# KiCad board HPM5300_ADC_EVK_RevA.kicad_pcb (continued)
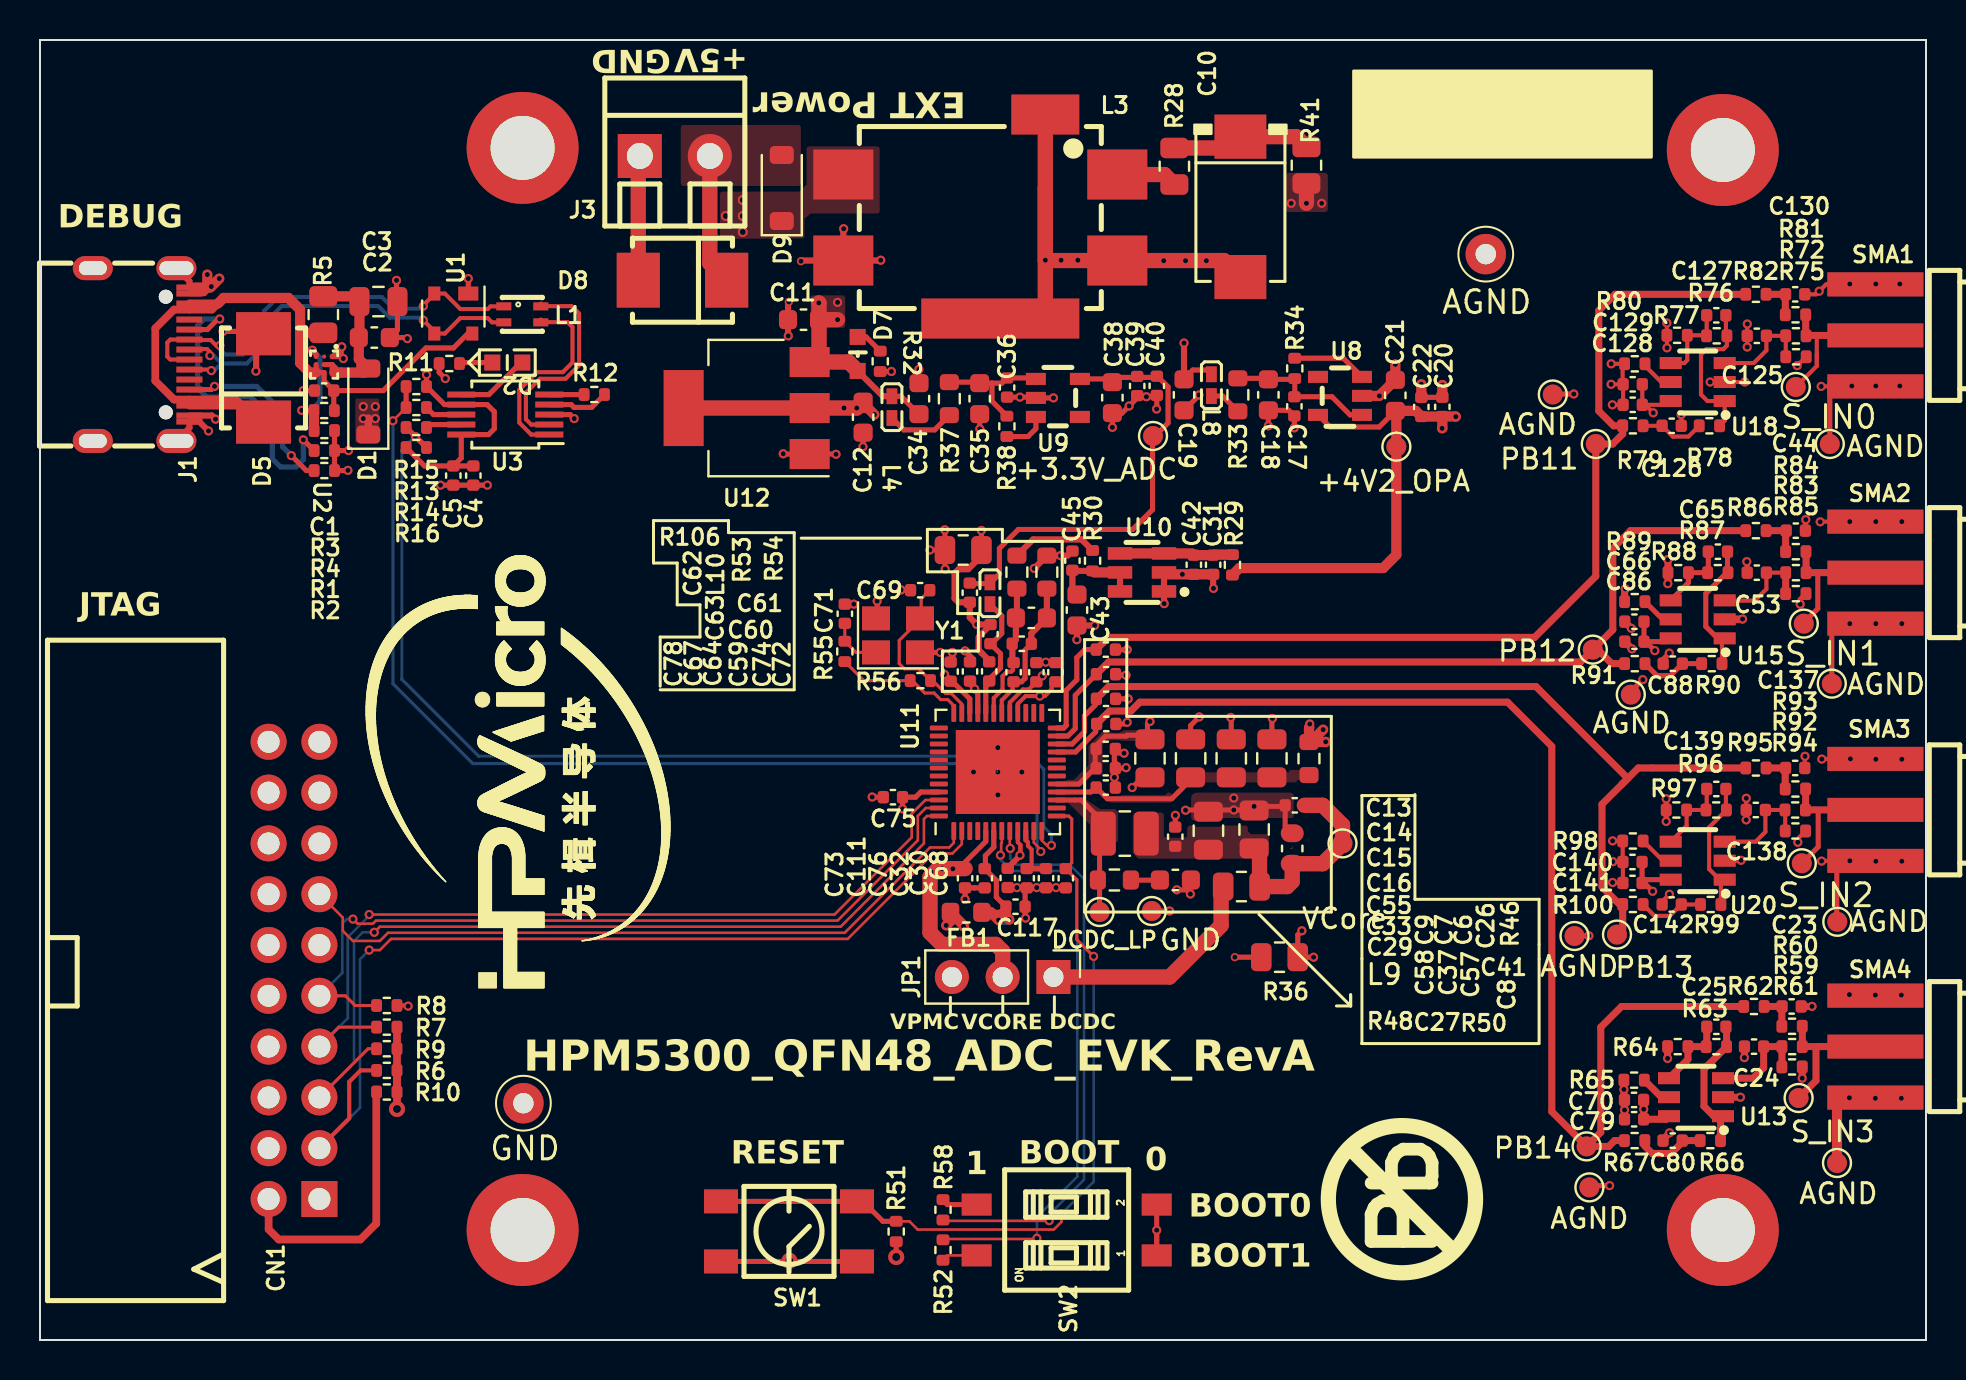
[diagram p0: board, top side]
## Footprints (pads in the part's own frame, mm; a bottom-side part is the same pattern mirrored in y, then rotated) (continued)
  oval 1.2x2 hole 0.7x1.4: 3(-4.32,-2.415) 4(4.32,-2.415)
  rect 0.3x1.3 smd: A1(-3.35,2.415) A4(-2.55,2.415) A5(-1.25,2.415) A6(-0.25,2.415) A7(0.25,2.415) A8(1.25,2.415) A9(2.55,2.415) A12(3.35,2.415) B1(3.05,2.415) B4(2.25,2.415) B5(1.75,2.415) B6(0.75,2.415) B7(-0.75,2.415) B8(-1.75,2.415) B9(-2.25,2.415) B12(-3.05,2.415)

## Nets
5V_Debug: C1.1 D5.2 J1.A4 J1.A9 J1.B4 J1.B9 R3.1 R5.2 U1.4 U2.B3 U2.C2 U2.C3
5V_SYS: C11.1 C19.1 C34.1 D7.2 L4.1 L8.1 R41.2 U12.3
+1.2VCore: C8.1 C37.1 C41.1 C57.1 C58.1 L9.2 R50.1 TP11.1
+3.3V: C4.1 C5.1 C12.1 CN1.1 FB1.2 R6.1 R7.2 R9.2 R10.2 R15.1 R16.1 R46.1 R51.1 SW2.1 SW2.2 U3.7 U3.10 U12.2
+3.3VADC: C38.1 C39.1 C40.1 C62.1 L10.1 TP4.1 U9.5
+4V_OPA: C20.1 C21.1 C22.1 C66.1 C70.1 C79.1 C86.1 C128.1 C129.1 C140.1 C141.1 R29.1 TP6.1 U8.5 U13.6 U15.6 U18.6 U20.6
+5V: D1.1 D9.1 L3.1
GND: C1.2 C2.2 C3.2 C4.2 C5.2 C6.2 C7.2 C8.2 C9.2 C10.2 C11.2 C12.2 C19.2 C26.2 C27.2 C29.2 C30.2 C32.2 C33.2 C34.2 C37.2 C41.2 C55.2 C57.2 C58.2 C67.2 C68.2 C69.2 C71.2 C72.2 C73.2 C74.2 C75.2 C76.2 C78.2 C111.2 C117.2 CN1.4 CN1.6 CN1.8 CN1.10 CN1.12 CN1.14 CN1.16 CN1.18 CN1.20 D5.1 D8.1 J1.1 J1.2 J1.3 J1.4 J1.A1 J1.A12 J1.B1 J1.B12 J3.1 L3.3 L3.4 L3.5 L3.6 R1.2 R2.2 R4.1 R8.1 R11.2 R32.2 R36.1 R106.1 SW1.1 SW1.2 TP1.1 TP9.1 U1.1 U2.A1 U3.3 U11.49 U12.1 Y1.2 Y1.4
GNDA: C13.2 C14.2 C15.2 C16.2 C17.2 C18.2 C20.2 C21.2 C22.2 C23.2 C24.2 C31.2 C35.2 C36.2 C38.2 C39.2 C40.2 C42.2 C43.2 C44.2 C45.2 C53.2 C62.2 C63.2 C64.2 C66.2 C70.2 C79.2 C80.2 C86.2 C88.2 C125.2 C126.2 C128.2 C129.2 C130.2 C137.2 C138.2 C140.2 C141.2 C142.2 R36.2 R54.2 R61.1 R64.2 R65.2 R75.1 R77.2 R80.2 R85.1 R88.2 R89.2 R94.1 R97.2 R98.2 R106.2 SMA1.1 SMA1.2 SMA1.3 SMA1.4 SMA2.1 SMA2.2 SMA2.3 SMA2.4 SMA3.1 SMA3.2 SMA3.3 SMA3.4 SMA4.1 SMA4.2 SMA4.3 SMA4.4 TP14.1 TP15.1 TP17.1 TP19.1 TP22.1 TP23.1 TP25.1 TP26.1 TP28.1 U8.2 U9.2 U10.1 U10.2 U13.2 U15.2 U18.2 U20.2
VDD_OTPCAP_2V5: C30.1 C32.1 U11.10
VDD_PMCCAP_1V1: C9.1 C33.1 C55.1 JP1.3 U11.17
/DEBUG/DN1: J1.A7 J1.B7 L1.1 U1.2
/DEBUG/DP1: J1.A6 J1.B6 L1.4 U1.3
/DEBUG/JTAG_TCK: CN1.9 R8.2 U11.47
/DEBUG/JTAG_TDI: CN1.5 R9.1 U11.48
/DEBUG/JTAG_TDO: CN1.13 U11.1
/DEBUG/JTAG_TMS: CN1.7 R7.1 U11.46
/DEBUG/JTAG_TRST: CN1.3 R6.2 U11.2
/DEBUG/URT0.RXD: R13.2 R15.2 U11.11
/DEBUG/URT0.TXD: R14.2 R16.2 U11.12
/DEBUG/USB2UART_N: L1.2 U3.2
/DEBUG/USB2UART_P: L1.3 U3.1
/HPM5300-IO/BOOT0: R58.2 U11.8
/HPM5300-IO/BOOT1: R52.2 U11.7
/HPM5300-IO/PA09: U11.3
/HPM5300-IO/PA10: U11.4
/HPM5300-IO/PA24: U11.44
/HPM5300-IO/PA25: U11.43
/HPM5300-IO/PA26: U11.42
/HPM5300-IO/PA27: U11.41
/HPM5300-IO/PA28: U11.40
/HPM5300-IO/PA29: U11.39
/HPM5300-IO/PA30: U11.38
/HPM5300-IO/PA31: U11.37
/HPM5300-IO/PB08: U11.27
/HPM5300-IO/PB09: U11.26
/HPM5300-IO/PB10: U11.25
/HPM5300-IO/PB11: C13.1 R79.2 R82.2 TP20.1 U11.24
/HPM5300-IO/PB12: C14.1 R86.2 R91.2 TP24.1 U11.23
/HPM5300-IO/PB13: C15.1 R95.2 R100.2 TP18.1 U11.22
/HPM5300-IO/PB14: C16.1 R62.2 R67.2 TP29.1 U11.21
/HPM5300-IO/PB15: U11.20
/HPM5300-IO/VIO: C74.1 C78.1 C111.1 C117.1 FB1.1 U11.6 U11.29 U11.34
/HPM5300-POWER/VANA: C63.1 C64.1 L10.2 U11.32
/HPM5300-VPMC-VBAT/BUTTON_RESET_N: C68.1 R51.2 SW1.3 SW1.4 U11.13
VCore: JP1.1 R50.2
VREFH: R30.2 R53.2
Net-(C10-Pad1): C10.1 R28.2 R41.1
Net-(C23-Pad1): C23.1 R60.2 R62.1
Net-(C27-Pad1): C27.1 R48.1
Net-(C44-Pad1): C44.1 R84.2 R86.1
Net-(C80-Pad1): C80.1 R66.2 R67.1
Net-(C88-Pad1): C88.1 R90.2 R91.1
Net-(C126-Pad1): C126.1 R78.2 R79.1
Net-(C130-Pad1): C130.1 R81.2 R82.1
Net-(C137-Pad1): C137.1 R93.2 R95.1
Net-(C142-Pad1): C142.1 R99.2 R100.1
Net-(CN1-Pad2): CN1.2 R10.1
Net-(D1-A): C2.1 C3.1 D1.2 R5.1 U2.A2 U2.A3 U2.B2
Net-(D2-A): D2.2 U3.6
Net-(D2-K): D2.1 R11.1
Net-(D7-K): D7.1 R32.1
Net-(D8-K): D8.2 D9.2 J3.2
Net-(J1-CC1): J1.A5 R1.1
Net-(J1-CC2): J1.B5 R2.1
Net-(JP1-C): C67.1 C72.1 C73.1 C75.1 C76.1 JP1.2 U11.5 U11.9 U11.28 U11.33 U11.45
Net-(L3-CB): L3.2 R28.1
Net-(L4-Pad2): L4.2 R37.1
Net-(L8-Pad2): L8.2 R33.1
Net-(R59-Pad1): R59.1 R60.1 SMA4.5 TP27.1
Net-(R72-Pad1): R72.1 R81.1 SMA1.5 TP12.1
Net-(R83-Pad1): R83.1 R84.1 SMA2.5 TP16.1
Net-(R92-Pad1): R92.1 R93.1 SMA3.5 TP21.1
Net-(SW2-PIN3): R58.1 SW2.3
Net-(SW2-PIN4): R52.1 SW2.4
Net-(U2-OVLO): R3.2 R4.2 U2.C1
Net-(U3-RXD): R14.1 U3.9
Net-(U3-TXD): R13.1 U3.8
Net-(U3-~{CTS}): R12.2 U3.5
Net-(U3-~{RTS}): R12.1 U3.4
Net-(U8-EN): R34.1 U8.3
Net-(U8-IN): C17.1 C18.1 R33.2 R34.2 U8.1
Net-(U9-EN): R38.1 U9.3
Net-(U9-IN): C35.1 C36.1 R37.2 R38.2 U9.1
Net-(U10-ENABLE): C31.1 C42.1 R29.2 U10.3 U10.4
Net-(U10-OUT_F): C43.1 C45.1 R30.1 U10.5 U10.6
Net-(U11A-DCDC_LP): L9.1 R48.2 TP7.1 U11.15
Net-(U11A-VREFH): C59.1 C60.1 C61.1 R53.1 U11.31
Net-(U11A-VREFL): C59.2 C60.2 C61.2 R54.1 U11.30
Net-(U11B-XTALI): C69.1 R56.1 U11.35 Y1.3
Net-(U11B-XTALO): R55.2 R56.2 U11.36
Net-(U11C-VPMC): C6.1 C7.1 C26.1 C29.1 R46.2 U11.16
Net-(U13-+IN): C24.1 R59.2 R61.2 U13.3
Net-(U13--IN): C25.2 R63.2 R64.1 U13.4
Net-(U13-MODE): R65.1 U13.5
Net-(U13-OUT): C25.1 R63.1 R66.1 U13.1
Net-(U15-+IN): C53.1 R83.2 R85.2 U15.3
Net-(U15--IN): C65.2 R87.2 R88.1 U15.4
Net-(U15-MODE): R89.1 U15.5
Net-(U15-OUT): C65.1 R87.1 R90.1 U15.1
Net-(U18-+IN): C125.1 R72.2 R75.2 U18.3
Net-(U18--IN): C127.2 R76.2 R77.1 U18.4
Net-(U18-MODE): R80.1 U18.5
Net-(U18-OUT): C127.1 R76.1 R78.1 U18.1
Net-(U20-+IN): C138.1 R92.2 R94.2 U20.3
Net-(U20--IN): C139.2 R96.2 R97.1 U20.4
Net-(U20-MODE): R98.1 U20.5
Net-(U20-OUT): C139.1 R96.1 R99.1 U20.1
Net-(Y1-X1): C71.1 R55.1 Y1.1

Pads without a net: CN1 11 15 17 19; H1 1; H2 1; H3 1; H4 1; J1 A8 B8; U2 B1; U8 4; U9 4; U11 14 18 19

## Via types
v1: diameter 0.406, hole 0.254, Top to Bottom, 3 vias
v2: diameter 0.457, hole 0.254, Top to Bottom, 236 vias
v3: diameter 0.8, hole 0.4, Top to Bottom, 3 vias
v4: diameter 0.5, hole 0.3, Top to Bottom, 4 vias

## Routing (per net, layer and track width the routed paths; a pad name or vN(x,y) marks a point on that pad's centre or on a via; arc(x,y) is an arc through that point)
5V_Debug: length 37.5
  Top w0.254: U2.C2 U2.C3 U2.B3 14.21,47.95 C1.1 ; C1.1 17.17,47.47 19.3,49.6 20.68,49.6 21.4,50.32 U1.4 ; C1.1 14.69,46.5 R3.1
  Top w0.381: J1.A9 10.1,46.72 10.81,46.01 9.8,47.02 J1.B4 6.7,47.02 5.77,47.96 5.77,50.59 6.7,51.52 J1.B9 8.6,51.52 8.91,51.83 7.48,51.83 J1.A4
  Top w0.508: 8.91,51.83 9.18,52.1 12.42,52.1 13.01,51.52 13.01,50.27 ; R5.2 13.09,50.36 13.01,50.27 ; 13.01,50.27 13.01,48.85 13.49,48.37 U2.C3
5V_SYS: length 15.1
  Top w0.254: C34.1 43.94,46.29 43.05,47.19 L4.1 ; 57.18,48.03 57.64,48.5 58.33,48.5 58.55,48.29
  Top w0.305: L4.1 42.15,47.19 D7.2 ; C19.1 v2(57.2,49.85)
  Top w0.762: R41.2 v2(63.32,56.83) ; C11.1 38.95,49.37 U12.3 40.44,48.9 D7.2 ; C11.1 v2(39.88,51.02) ; C11.1 38.95,51.84 v2(38.94,51.86)
  vias: v2(39.88,51.88) v2(62.56,56.83) v2(64.08,56.83)
+1.2VCore: length 9.9
  Top w0.25: C57.1 60.71,24.74
  Top w0.762: TP11.1 65.13,25.74 64.14,26.73 C41.1 ; 61.47,22.67 62.36,22.67 62.61,22.92 C8.1 64.14,23.81 65.13,24.8 ; C57.1 60.98,24.31 60.98,23.24
+3.3V: length 39.5
  Top w0.203: R7.2 R9.2 R6.1
  Top w0.25: 42.81,4.92 v3(42.81,4.15) ; R15.1 v2(19.33,48.26) ; SW2.2 SW2.1 v2(55.83,5.49)
  Top w0.254: R16.1 19.23,43.7 C5.1 ; C5.1 21.07,44.1 U3.10 22.43,45.27 22.72,45.56 22.72,46.41 22.36,46.77 U3.7 20.23,46.77 R15.1 ; C5.1 C4.1
  Top w0.381: R6.1 R10.2 ; R10.2 R7.2 ; R10.2 v3(17.85,11.55)
  Top w0.508: v2(41.72,46.27) 41.39,46.6 v2(40.2,46.6) ; v2(64.28,29.91) 64.27,29.9 R46.1 ; R46.1 63.54,29.9 v2(64.16,30.52) ; R46.1 63.45,30.61 63.47,30.63 ; v2(45.31,20.73) 45.52,20.94 FB1.2 46.18,20.73 v2(46.18,20.68)
  Top w0.762: U12.2 U12.2 v2(40.84,46.6) C12.1
  vias: v2(63.49,30.8)
+3.3VADC: length 22.6
  Top w0.254: U9.5 53.46,48.05 C38.1 53.86,48.13 55.93,48.13 56.4,47.65 56.4,45.85 55.63,45.07 55.63,41.52 54.64,40.53 48.92,40.53 47.97,39.58 47.97,38.3 47.49,37.82 46.52,37.82
+4V_OPA: length 36.6
  Top w0.203: v2(80.66,46.36) 80.26,46.76 C128.1 ; C128.1 81.35,46.76 81.53,46.95 ; C128.1 C129.1 ; 80.21,22.85 80.11,22.85 80.27,23.02
  Top w0.25: C66.1 C86.1 81.38,34.92 ; 81.38,35.07 81.54,35.23 ; 80.29,34.92 v2(80.74,34.47) ; 80.2,35.07 80.29,35.07
  Top w0.254: 81.53,23.02 80.27,23.02 ; 67.82,46.41 C21.1 66.96,45.65 64.51,45.65 U8.5 ; 80.11,23.9 80.11,22.85 ; 80.21,22.85 v2(80.63,22.44)
  Top w0.349: 80.19,12 C79.1 81.3,11.04 U13.6 ; 80.19,12 v2(80.19,11.54) ; 80.19,12 C70.1
  Top w0.508: v2(70.1,45.58) 70.12,45.59 C20.1 ; C20.1 70.11,46.17 C22.1 68.78,46.46 C21.1 ; C20.1 70.78,46.18 v2(70.79,46.17) ; 67.82,46.41 TP6.1 67.82,39.26 67.16,38.6 59.97,38.6 R29.1
  In2.Cu w0.254: 80.75,22.56 v2(80.63,22.44)
+5V: length 0.8
  Top w0.381: 16.42,46.09 D1.1
  vias: v2(16.17,46.67) v2(16.17,46.07) v2(16.77,46.67) v2(16.77,46.07) v4(34.29,56.2) v4(35.14,57) v4(35.14,56.2) v4(35.14,55.4)
GND: length 115.4
  Top w0.203: 14.83,49.41 14.61,49.18 U2.A1 ; 14.83,49.41 v2(15.09,49.66) ; 14.83,49.41 14.92,49.32 ; v2(15.09,49.66) 14.92,49.49 14.92,49.32 ; v2(15.09,49.66) 15.09,49.15 v2(15.17,49.07) 14.92,49.32 ; v2(18.41,16.69) 18.38,16.72 R8.1 ; 50.19,33.87 50.19,33.89 50.19,33.89 ; 50.19,33.87 50.67,33.87 ; 50.19,33.87 49.71,33.87
  Top w0.25: v2(57.28,26.49) 57.29,26.5 60.53,26.5 v2(60.71,26.68) 62.2,26.68 C41.2 62.26,25.69 C8.2 ; v2(54.31,28.61) 54.28,28.59 53.72,28.59 ; v2(45.26,38.55) 45.25,38.56 R106.1 ; v2(56.48,21.45) TP9.1 55.59,21.47 55.74,21.62 ; R106.1 45.25,40.5 v2(45.24,40.51) ; R106.1 44.49,39.5 v2(44.49,39.5) ; 53.72,28.59 53.72,27.63 53.72,27.62 ; 53.72,28.59 53.75,28.56 53.75,28.89 53.75,28.9 ; v2(41.61,27.15) 41.62,27.14 C75.2 ; v2(54.61,27.62) 55.12,28.13 C9.2 ; v2(57.95,47.25) 57.95,47.23 57.2,46.48 C19.2 ; v2(61.62,31.08) 61.59,31.05 C26.2 ; R11.2 19.96,48.38 v2(20.27,48.07) ; v2(57.96,31.15) 57.53,30.72 C7.2 ; v2(26.71,46.07) 26.51,46.27 25.47,46.27 U3.3 ; SW1.1 SW1.2 ; v2(56.84,22.51) 57.31,22.51 v2(57.52,22.3) 57.52,22.98 57.5,23 ; 53.93,29.34 53.72,29.55 ; v2(59.54,31.13) 59.56,31.1 C6.2 ; 29.91,58.82 29.94,58.85 ; v2(56.77,26.23) 56.76,26.23 C58.2
  Top w0.254: C34.2 43.95,48.52 v2(43.94,48.53) ; v2(40.69,36.79) 40.69,36.79 C71.2 ; 57.18,46.75 57.18,46.48 ; 49.28,22.61 49.26,22.58 C117.2 49.26,21.12 v2(49.28,21.1) ; 49.28,22.61 50.25,22.61 50.25,22.61 51.23,22.61 51.24,22.61 ; 49.28,22.61 49.27,22.62 48.34,22.62 48.32,22.61 ; R4.1 R1.2 ; R1.2 R2.2 15.39,43.47 v2(15.4,43.48) ; R1.2 v2(15.43,44.47) ; C12.2 41.16,44.67 v2(41.15,44.67) ; 8.17,52.62 8.17,52.37 8.22,52.32 ; 8.17,52.62 8.52,52.62 8.22,52.32 ; 8.17,52.62 J1.A1 7.72,52.62 ; 41.86,36.08 v2(41.86,36.95) ; v2(17.83,52.98) 17.83,51.97 C3.2 17.87,50.5 C2.2 18.32,50.12 v2(18.37,50.07) ; 44.06,34.38 v2(45.01,34.38) ; v2(22.37,42.74) C4.2 C5.2 v2(20.03,42.74) ; 8.22,52.32 J1.B12 ; R36.1 v1(59.74,19.14) ; v2(43.05,37.5) 43.07,37.49 C69.2 ; v2(42.57,48.43) 42.57,48.42 R32.2 ; v2(46.25,34.46) 46.57,34.14 46.57,33.91 ; v2(21.42,53.07) U1.1 ; v2(37.16,44.31) 37.17,44.3 U12.1 39.79,44.3 v2(39.8,44.29) ; v2(15.17,49.07) 15.07,49.17 U2.A1 ; v2(9.15,50.43) 10.81,50.43 ; 53.72,28.59 53.72,29.55 ; C111.2 46.74,22.61 46.73,22.61 C73.2 v2(46.25,22.04) ; C1.2 v2(13.17,47.47) ; 47.37,22.61 47.37,22.61
  Top w0.305: v1(38.05,53.94) 38.08,53.97 L3.3 ; v1(37.44,51.91) 37.4,51.87 C11.2 37.4,50.22 v2(37.41,50.2) ; L3.3 40.17,55.55 v2(40.18,55.56) ; L3.3 42.02,53.97 v2(42.04,53.99) ; J1.B1 8.6,46.22 v2(8.78,46.04) ; 45.6,33.91 45.62,33.92 v2(45.62,34.38) ; v2(8.43,45.45) 7.96,45.92 J1.A12 7.47,45.6 J1.2 ; J1.A1 7.47,52.94 J1.1 ; 10.81,50.43 10.81,48.45
  Top w0.508: 7.72,52.62 8.37,52.62 v2(8.37,53.27) ; 8.52,52.62 v2(8.97,53.07)
  Top w0.762: 50.32,50.89 50.27,50.94 50.27,57.57 ; 50.27,57.57 L3.5 ; 50.27,57.57 50.27,53.97 L3.4 59.19,53.97 C10.2 ; D8.1 29.91,58.82
  In1.Cu w0.254: v2(46.25,34.46) 45.69,34.46 v2(45.62,34.38) ; v2(57.95,47.25) 57.97,47.28 57.97,48.93
  vias: v2(8.57,52.67) v2(10.8,48.44) v2(46.68,28.4) v2(47.89,29.62) v2(47.89,28.4) v2(47.9,27.26) v2(48.84,22.62) v2(49.09,28.4) v2(49.83,22.62) v2(50.27,53.99) v2(50.29,33.89) v2(50.8,22.62) v2(51.05,53.99) v2(51.89,53.99) v2(53.72,28.13) v2(54.2,29.34) v2(56.18,53.96) v2(57.28,53.96) v2(58.32,53.96) v2(59.69,27.1) v2(59.69,26.5) v3(37.47,3.96)
GNDA: length 99.8
  Top w0.203: SMA1.1 v2(89.06,47.68) ; 78.67,46.76 79.15,46.76 79.15,47.78 ; R54.2 50.34,39.21 ; v2(78.63,24.96) 78.64,24.95 R98.2 79.14,23.91 C140.2 ; C126.2 82.06,46.27 v2(82.06,46.27) ; v2(78.64,23.92) 78.65,23.9 C140.2 ; C137.2 88.24,29.18 v2(88.25,29.19) ; v2(89.09,29.05) 89.1,29.06 SMA3.2 ; C140.2 C141.2 78.65,22.85 v2(78.63,22.88) ; U20.2 85.03,23.97 v2(85.05,23.99) ; 79.15,47.78 v2(78.55,47.78) 78.55,47.79 ; 79.15,47.78 79.13,47.81 79.13,48.81 v2(78.56,48.81) ; SMA3.1 89.09,23.96 v2(89.08,23.95) ; v2(85.36,50.8) 85.36,50.8 C125.2 v2(85.36,49.65) ; v2(85.31,26.01) C138.2 85.31,27.08 v2(85.31,27.09) ; R94.1 87.89,25.06 v2(87.89,24.89) ; R75.1 88.3,49.16 v2(87.86,48.72) ; SMA2.2 89.02,40.92 v2(89.01,40.91) ; 51.39,39.22 C45.2 ; C142.2 81.11,21.92 v2(81.47,22.29) ; C130.2 88.8,52.28 v2(88.96,52.44) 89.3,52.78 SMA1.2 ; v2(81.35,49.61) 81.34,49.61 R77.2 81.34,50.84 v2(81.34,50.85) ; v2(83.51,47.9) 83.51,47.9 U18.2 85.24,47.9 v2(85.24,47.9)
  Top w0.25: v2(76.69,47.3) 75.59,47.3 ; 89.59,35.77 TP17.1 ; C44.2 88.27,41 v2(88.29,41.02) ; 89.84,20.89 89.84,23.89 ; v2(81.31,27.06) R97.2 v2(81.31,25.93) ; R85.1 88.01,37.03 v2(88.01,36.79) ; v2(81.46,34.34) 81.16,34.04 ; v2(54.36,34.52) 54.35,34.51 53.91,34.51 53.79,34.39 ; 77.74,7.77 77.69,7.72 77.51,7.72 v2(78.48,7.72) ; v2(77.45,20.21) 76.59,20.21 ; 91.78,23.95 SMA3.1 ; 79.49,32.37 v2(80.14,33.02) ; 89.49,44.45 89.49,47.8 89.54,47.85 ; v2(85.34,38.92) 85.36,38.9 C53.2 ; 91.78,47.67 SMA1.1
  Top w0.254: v2(61.42,45.71) 61.42,45.71 C18.2 62.44,46.48 C17.2 62.72,45.61 v2(62.71,45.61) ; 53.74,31.89 53.9,32.06 v2(54.41,32.06) ; 47.1,39.47 47.1,39.23 ; 47.55,35.75 46.93,35.13 46.93,35.18 C63.2 ; 47.54,33.89 47.55,33.89 ; v2(63.68,19.14) R36.2 62.89,20.26 v2(63.09,20.46) ; v2(50.67,47.11) 50.67,47.1 U9.2 49.76,47.14 v2(49,47.14) C36.2 ; v2(53.62,45.63) 53.62,46.34 54.1,46.34 v2(54.46,46.7) 54.92,47.16 v2(55.32,47.16) 55.93,47.16 55.84,47.07 55.84,46.56 v2(55.83,46.55) ; v2(47.07,40.48) 47.07,40.47 R106.2 ; v2(46.99,45.56) 46.98,45.56 C35.2 ; 53.74,30.8 54.28,30.8 v2(54.36,30.88) ; 53.78,33.25 54.29,33.25 v2(54.3,33.24) ; 46.41,36.89 46.52,36.78 ; C22.2 70.11,47.13 C20.2 ; 46.84,35.77 v2(46.84,35.78)
  Top w0.305: 50.34,39.21 v2(49.71,38.58) ; 51.39,39.22 v2(51.03,39.22) R54.2 ; 46.41,36.89 45.92,36.89 45.73,37.08 45.73,38.34 45.93,38.54 46.4,38.54 47.1,39.23 ; C31.2 58.66,37.6 v2(58.67,37.58) ; v2(46.84,35.78) 46.49,36.13 C62.2 ; C63.2 46.84,35.77 ; v2(57.12,38.28) C42.2 ; 46.93,35.13 46.93,34.5 47.54,33.89 ; 56.24,36.79 v2(56.21,36.82) 56.2,36.83 U10.1 U10.2 56.3,38.28 ; v2(52.73,35.73) 52.73,35.72 C43.2 51.85,35.02 v2(51.84,35.02)
  Top w0.349: v2(79.26,37.56) 79.23,37.53 R89.2 ; C24.2 85.22,14.12 v2(85.22,14.12) ; R61.1 88.11,13.65 v2(88.11,13.09) ; R64.2 81.38,14.08 v2(81.38,14.08) ; v2(79.6,34.56) C86.2 ; v2(81.48,10.36) 81.15,10.03 C80.2 ; C79.2 v2(79.23,11.5) 79.22,11.5 C70.2 79.2,12.03 v2(79.2,12.53) R65.2 ; v2(81.39,37.82) 81.4,37.83 R88.2 81.4,39.01 v2(81.39,39.02) ; v2(79.56,35.58) 79.24,35.91 C66.2 ; C23.2 88.6,16.68 v2(88.6,16.68) ; U13.2 v2(85.02,12.14)
  Top w0.381: v2(85.13,36.05) 85.11,36.03 U15.2
  Top w0.508: U8.2 v2(66.97,47.21) C21.2 v2(67.77,48.78) ; C31.2 C42.2 56.3,38.28 ; 89.83,12.06 89.85,12.04 TP14.1 ; v2(69.07,47.79) C22.2 ; v2(70.12,47.75) C20.2
  vias: v2(78.62,46.76) v2(90.49,52.8) v2(90.49,40.92) v2(90.49,35.82) v2(90.52,29.06) v2(90.49,23.96) v2(90.47,17.27) v2(90.47,12.11) v2(90.59,47.7) v2(91.79,52.8) v2(91.79,47.7) v2(91.79,40.92) v2(91.79,35.82) v2(91.79,29.04) v2(91.79,23.94) v2(91.77,17.25) v2(91.77,12.09) v2(92.99,52.8) v2(92.99,47.7) v2(93.09,40.92) v2(93.09,35.82) v2(93.09,29.04) v2(93.09,23.94) v2(93.07,17.25) v2(93.07,12.09)
VDD_OTPCAP_2V5: length 2.6
  Top w0.203: 49.29,24.99 49.4,24.88 49.4,24.71 49.58,24.53 49.58,23.6
  Top w0.254: U11.10 49.29,24.99 ; 49.58,23.6 49.61,23.57 50.25,23.57
VDD_PMCCAP_1V1: length 32.6
  Top w0.25: U11.17 51.94,27.8 52.76,28.62 52.76,29.55 ; 55.37,29.84 54.97,30.24 54.36,30.24 ; v2(55.5,30.93) 55.37,30.8 55.37,30.09
  Top w0.254: 54.36,30.24 54.31,30.19 53.27,30.19 52.78,29.71
  In2.Cu w0.762: JP1.3 47.4,19.95 56.3,19.95 58.61,22.26 58.61,25.4 58.01,26 58.01,30.06 57.28,30.8 55.5,30.8
/DEBUG/DN1: length 22
  Top w0.2: v2(8.99,49.72) 8.81,49.72 8.54,50 8,50 7.97,50.02 J1.B7 6.52,50.02 6.37,49.87 6.37,49.17 6.52,49.02 J1.A7 ; v2(19.17,51.7) 19.17,51.74 19.72,52.29 U1.2 20.24,52.32 21.02,51.55 22.39,51.55 22.52,51.68 L1.1
  Bottom w0.2: v2(8.99,49.72) 8.99,49.54 9.26,49.28 10.16,49.28 11.2,50.31 11.2,51.45 11.9,52.15 17.1,52.15 17.68,51.57 19.04,51.57 v2(19.17,51.7)
/DEBUG/DP1: length 20.8
  Top w0.2: L1.4 22.6,50.88 22.39,51.1 21.02,51.1 20.24,50.32 U1.3 19.72,50.44 v2(19.17,50.99) ; J1.A6 7.97,49.52 8,49.55 8.35,49.55 8.49,49.4 v2(8.49,49.22) ; J1.B6 8.52,48.52 v2(8.57,48.47)
  Bottom w0.2: 9.07,48.83 8.68,49.22 v2(8.49,49.22) ; 9.07,48.83 8.71,48.47 v2(8.57,48.47) ; 9.07,48.83 10.35,48.83 11.65,50.13 11.65,51.26 12.09,51.7 16.91,51.7 17.49,51.12 19.04,51.12 v2(19.17,50.99)
/DEBUG/JTAG_TCK: length 40.3
  Top w0.127: U11.47 44.29,26.6 43.89,26.2 43.89,24.98 39.88,20.97 16.8,20.97 16.65,20.82 15.88,20.82 v2(15.65,21.05)
  Top w0.152: R8.2 15.75,16.72 15.27,17.21 CN1.9
  Bottom w0.127: CN1.9 15.12,18.36 15.12,20.83 15.34,21.05 v2(15.65,21.05)
/DEBUG/JTAG_TDI: length 45
  Top w0.127: 16.72,20.38 v2(16.71,20.39) 16.99,20.66 40.03,20.66 44.2,24.83 44.2,26.05 44.35,26.2 U11.48
  Top w0.152: CN1.5 16.4,14.56 R9.1
  Bottom w0.127: v2(16.71,20.39) 16.13,20.39 15.7,19.95 15.7,13.86 CN1.5
/DEBUG/JTAG_TDO: length 35.7
  Top w0.127: CN1.13 15.14,21.12 15.14,20.46 15.65,19.95 16.99,19.95 17.4,20.36 40.23,20.36 44.5,24.63 45.46,24.63 45.69,24.86 U11.1
/DEBUG/JTAG_TMS: length 42.4
  Top w0.127: U11.46 44.27,27 43.59,26.32 43.59,25.13 39.73,21.27 v2(16.46,21.27)
  Top w0.152: CN1.7 14.94,15.64 R7.1
  Bottom w0.127: CN1.7 15.39,16.09 15.39,20.14 16.46,21.21 v2(16.46,21.27)
/DEBUG/JTAG_TRST: length 49
  Top w0.127: U11.2 46.09,24.79 45.62,24.32 44.65,24.32 40.39,20.05 17.55,20.05 16.99,19.5 v2(16.46,19.5)
  Top w0.203: CN1.3 15.46,11.08 15.46,12.91 16.03,13.48 R6.2
  Bottom w0.127: v2(16.46,19.5) 16,19.04 16,11.62 CN1.3
/DEBUG/URT0.RXD: length 55.7
  Top w0.127: v2(17.65,45.96) R13.2 ; v2(50.04,24.42) 50.04,24.53 49.69,24.87 U11.11
  Top w0.152: 18.31,46.38 R15.2
  Top w0.254: R15.2 R13.2
  Bottom w0.152: v2(50.04,24.42) 49.85,24.61 49.85,28.38 49.4,28.83 46.5,28.83 46.49,28.82 21.64,28.82 17.65,32.81 v2(17.65,45.96)
/DEBUG/URT0.TXD: length 53.8
  Top w0.127: U11.12 50.09,24.98 50.34,24.73 v2(50.57,24.73)
  Top w0.254: 18.68,45.27 v2(18.77,45.18) R16.2 18.33,45.62 R14.2
  Bottom w0.152: v2(18.77,45.18) 18.09,44.5 18.09,33.03 21.93,29.19 46.87,29.19 46.87,29.19 49.54,29.19 50.19,28.54 50.19,25.66 50.57,25.28 v2(50.57,24.73)
/DEBUG/USB2UART_N: length 10.5
  Top w0.203: U3.2 24.56,45.77 24.3,46.04 24.3,47.36 25,48.06 26.28,48.06 26.96,48.74 26.96,51.32 26.59,51.69 25.17,51.69 25.04,51.82
/DEBUG/USB2UART_P: length 10.1
  Top w0.203: 25.04,51.02 25.17,50.89 26.38,50.89 26.63,50.64 26.63,48.88 26.14,48.39 24.85,48.39 23.97,47.51 23.97,45.87 24.56,45.27 U3.1
/HPM5300-IO/BOOT0: length 28.6
  Top w0.127: 45.16,5.96 50.45,5.96 v2(50.46,5.97) ; U11.8 48.49,24.6 v2(48.51,24.58)
  Bottom w0.127: v2(50.46,5.97) 50.46,6.24 50.65,6.44 50.65,6.47 52.2,8.02 52.2,23.05 51.49,23.76 48.82,23.76 48.51,24.07 v2(48.51,24.58)
/HPM5300-IO/BOOT1: length 29.1
  Top w0.127: 45.16,5.05 45.16,5.05 49.81,5.05 v2(49.84,5.08) ; v2(48.02,24.24) 48.06,24.28 48.06,24.82 48.09,24.86 U11.7
  Bottom w0.127: v2(48.02,24.24) 48.02,24.02 48.59,23.45 51.35,23.45 51.87,22.93 51.87,8.17 49.84,6.15 v2(49.84,5.08)
/HPM5300-IO/PB11: length 54.6
  Top w0.254: U11.24 51.19,30.6 51.31,30.72 51.31,32.48 51.84,33.01 51.84,34.12 52.24,34.52 C13.1
  Top w0.349: C13.1 53.42,35.13 74.73,35.13 77.79,38.19 TP20.1 78.64,44.8 79.14,45.3 R79.2 78.68,45.71 77.94,46.45 77.94,51.48 78.75,52.28 R82.2
/HPM5300-IO/PB12: length 43.8
  Top w0.254: U11.23 51.39,30.2 51.77,30.57 51.77,32.24 C14.1
  Top w0.349: 77.79,34.62 78.59,33.82 R91.2 ; R86.2 79.53,40.47 78.64,39.58 78.64,35.51 77.65,34.52 TP24.1 77.02,33.9 53.43,33.9 C14.1
/HPM5300-IO/PB13: length 47.8
  Top w0.203: R100.2 78.98,21.78
  Top w0.254: 52.78,31.92 52.78,31.89 ; 52.78,31.76 52.22,31.2 52.22,30.42 51.6,29.8 U11.22
  Top w0.349: 53.86,32.67 74.8,32.67 79.39,28.08 79.11,27.81 ; 53.86,32.67 53.54,32.67 ; 53.86,32.67 53.43,32.67 C15.1 ; 79.11,27.81 79.91,28.6 R95.2 ; 79.11,27.81 78.1,26.79 78.1,22.66 78.98,21.78 ; R100.2 79.14,20.56 TP18.1
/HPM5300-IO/PB14: length 64.3
  Top w0.254: 53.38,31.4 52.78,30.8 52.78,30.41 51.77,29.4 U11.21
  Top w0.349: C16.1 53.48,31.45 54.55,31.45 54.99,31.89 73.38,31.89 75.59,29.68 75.59,11.42 TP29.1 ; R62.2 79.08,16.68 78.04,15.64 78.04,10.39 TP29.1 ; TP29.1 78.44,9.68 78.73,9.97 R67.2
/HPM5300-IO/VIO: length 13.8
  Top w0.203: 50.11,33.31 v2(50.11,33.21) 49.43,32.53 49.14,32.53 48.49,31.88 U11.29
  Top w0.254: 45.26,33.29 46.49,32.06 U11.34 ; 47.26,23.57 47.27,23.57 47.27,24.22 47.69,24.64 U11.6 ; C111.1 47.82,22.99 47.82,22.15 C117.1 48.02,21.39 FB1.1
  Top w0.508: v2(47.93,20.99) 47.54,21.39 FB1.1 ; v2(48.46,21.02) 48.3,21.19 C117.1
  Bottom w0.508: 47.9,21.02 v2(48.46,21.02) 47.95,21.02 v2(47.93,20.99)
  vias: v2(45.22,33.28)
/HPM5300-POWER/VANA: length 6.4
  Top w0.254: 47.52,36.77 48.09,36.2 48.09,35.33 47.55,34.79 ; C63.1 48.02,34.31 48.02,33.61 47.52,33.11 47.52,32.94 ; U11.32 47.29,32.67 47.55,32.93
/HPM5300-VPMC-VBAT/BUTTON_RESET_N: length 40.5
  Top w0.127: v2(51.07,6.3) 51.07,5.91 50.69,5.52 43.88,5.52 43.47,5.94 R51.2 ; SW1.3 41.17,6.93
  Top w0.152: v2(52.68,19.18) 51.84,20.02 51.84,23.02 C68.1 51.59,23.86 51.59,26.05 51.44,26.2 U11.13
  Top w0.25: SW1.4 SW1.3 41.15,6.93 42.14,5.94 R51.2
  Bottom w0.127: v2(51.07,6.3) 52.68,7.91 v2(52.68,19.18)
  Bottom w0.152: 51.07,6.39 v2(51.07,6.3)
VCore: length 11.4
  Top w0.762: 59.05,22.67 59.05,20.73 56.48,18.15 JP1.1
VREFH: length 4.4
  Top w0.305: R30.2 52.07,40.03 49.66,40.03 R53.2
Net-(C10-Pad1): length 7.1
  Top w0.762: R41.1 62.81,60.17 C10.1 59.45,59.6 R28.2
Net-(C23-Pad1): length 1.9
  Top w0.349: R60.2 87.09,16.67 C23.1 R62.1
Net-(C27-Pad1): length 1.4
  Top w0.25: 55.95,23 55.95,22.99 54.55,22.99 R48.1
Net-(C44-Pad1): length 2.1
  Top w0.349: R84.2 87.28,40.44 C44.1 R86.1
Net-(C80-Pad1): length 3.5
  Top w0.349: R66.2 C80.1 82.11,9.89 81.55,9.33 80.61,9.33 80.24,9.7 R67.1
Net-(C88-Pad1): length 3.3
  Top w0.25: R90.2 C88.1 81.52,33.22 80.85,33.22 R91.1
Net-(C126-Pad1): length 3.3
  Top w0.203: R79.1 C126.1 81.64,45.17 82.42,45.17 R78.2
Net-(C130-Pad1): length 2
  Top w0.203: 87.27,52.27 C130.1
  Top w0.349: R81.2 87.27,52.27 ; R82.1 C130.1
Net-(C137-Pad1): length 2
  Top w0.203: 87.26,28.58 C137.1
  Top w0.349: R95.1 C137.1 ; R93.2 87.26,28.58
Net-(C142-Pad1): length 3.3
  Top w0.203: R100.1 80.73,21.21 81.49,21.21 C142.1 R99.2
Net-(CN1-Pad2): length 14
  Top w0.381: R10.1 16.81,12.39 16.81,5.83 16.02,5.03 11.94,5.03 11.43,5.53 CN1.2
Net-(D1-A): length 8.7
  Top w0.254: U2.A2 15.01,48.37 15.05,48.37 ; U2.A2 U2.A3 ; U2.A2 U2.B2
  Top w0.508: R5.1 15.71,52.18 C3.1 15.97,50.15 C2.1 15.94,49.05 D1.2 16.22,48.37 14.72,48.37
Net-(D2-A): length 3.7
  Top w0.254: U3.6 22.45,47.27 24.05,48.87 24.07,48.87
Net-(D2-K): length 1.5
  Top w0.254: 22.57,48.87 21.03,48.87
Net-(D7-K): length 1.4
  Top w0.254: D7.1 41.3,50.15 R32.1
Net-(D8-K): length 6.6
  Top w0.762: J3.2 33.49,53.83 D8.2
Net-(J1-CC1): length 16.1
  Top w0.25: R1.1 13.17,45.01 v2(13.17,45.01) ; J1.A5 8.37,50.52 8.9,51.05 v2(8.99,51.05)
  Bottom w0.25: v2(13.17,45.01) 13.17,44.01 12.81,43.65 12.03,43.65 11.62,44.06 11.62,46.07 10.53,47.16 8.31,47.16 7.89,47.58 7.89,50.73 8.21,51.05 v2(8.99,51.05)
Net-(J1-CC2): length 9.1
  Top w0.25: v2(12.57,44.22) 13.32,43.47 R2.1 ; v2(8.73,47.68) 8.57,47.52 J1.B5
  Bottom w0.25: v2(8.73,47.68) 10.84,47.68 12.14,46.38 12.14,44.65 v2(12.57,44.22)
Net-(JP1-C): length 23.5
  Top w0.203: 50.58,32.92 50.58,32.54 50.24,32.2 v2(49.99,32.2) 49.28,32.2 48.89,31.81 U11.28 ; 49.02,24.76 49.02,24.26 ; 49.02,24.76 49.02,24.45 ; 49.02,24.76 48.89,24.89 U11.9
  Top w0.25: v2(46.74,32.55) 46.53,32.75 46.53,32.95
  Top w0.254: C73.1 45.65,23.57 v2(45.64,23.56) ; U11.33 46.89,32.4 v2(46.74,32.55) ; v2(49,24.24) 48.98,24.24 ; v2(49,24.24) 49.02,24.26 ; v2(49,24.24) 48.39,23.63 C76.1 48.89,24.09 ; U11.45 44.04,27.4 43.78,27.14 C75.1 43.13,26.56 v2(43.13,26.56) ; 46.28,23.57 46.28,23.92 47.29,24.93 U11.5
  Top w0.762: 44.92,23.57 44.5,23.15 44.5,20.37 45.09,19.78 47.79,19.78 48.13,19.44 JP1.2 ; 44.92,23.57 44.75,23.41 ; 44.92,23.57 C73.1
  Bottom w0.254: 43.18,26.51 v2(43.13,26.56)
  vias: v2(44.55,23.41) v2(45.11,23.57)
Net-(L3-CB): length 3.1
  Top w0.762: L3.2 56.22,58.27 R28.1
Net-(L4-Pad2): length 3.4
  Top w0.254: R37.1 44.73,45.51 43.19,45.51 L4.2
Net-(L8-Pad2): length 1.7
  Top w0.254: 58.55,47.2 59.13,47.2 R33.1
Net-(R59-Pad1): length 7.6
  Top w0.349: 88.8,14.67 88.8,12.97 TP27.1 ; R60.1 88.12,15.68 R59.1 SMA4.5
Net-(R72-Pad1): length 8.1
  Top w0.203: TP12.1 88.84,48.7 88.84,49.3 ; 88.81,50.23 88.84,50.2 88.84,49.3 ; 88.28,50.23 R72.1 ; 88.84,49.3 88.84,48.8
  Top w0.349: SMA1.5 88.33,50.23 R72.1 ; R81.1 88.28,50.23
Net-(R83-Pad1): length 7.6
  Top w0.25: 88.89,38.37 88.89,36.57 88.19,35.87 ; 89.5,38.23 89.68,38.41
  Top w0.349: R84.1 88.3,39.41 R83.1 SMA2.5
Net-(R92-Pad1): length 7.9
  Top w0.203: 88.28,26.51 R92.1
  Top w0.25: 88.78,26.47 88.81,26.51 88.91,26.51 88.91,24.66 TP21.1 ; 89.68,26.55 89.54,26.69
  Top w0.349: SMA3.5 88.27,26.51 R92.1 ; R93.1 88.28,26.51
Net-(SW2-PIN3): length 1.8
  Top w0.25: SW2.3 45.36,6.77 45.16,6.98
Net-(SW2-PIN4): length 1.8
  Top w0.127: 45.16,4.03 45.36,4.23 SW2.4
Net-(U2-OVLO): length 5.8
  Top w0.25: v2(13.09,46.48) 13.1,46.47 R3.2 ; U2.C1 13.81,49.3 v2(13.61,49.49)
  Top w0.508: R3.2 13.7,45.48 R4.2
  Bottom w0.25: v2(13.61,49.49) 14,49.11 14,46.92 13.56,46.48 v2(13.09,46.48)
Net-(U3-RXD): length 1.8
  Top w0.254: U3.9 19.48,45.77 R14.1
Net-(U3-TXD): length 1.9
  Top w0.254: R13.1 19.68,46.27 U3.8
Net-(U3-~{CTS}): length 1.7
  Top w0.254: U3.5 R12.2
Net-(U3-~{RTS}): length 3.1
  Top w0.254: R12.1 27.58,46.63 26.7,46.63 26.56,46.77 25.47,46.77 U3.4
Net-(U8-EN): length 3.7
  Top w0.254: U8.3 65.17,49.09 R34.1
Net-(U8-IN): length 7.5
  Top w0.254: R33.2 61.37,48.08 C18.1 62.7,48.03 R34.2 62.74,47.18 C17.1 64.6,47.16 65.5,46.26 U8.1
Net-(U9-EN): length 2.2
  Top w0.254: R38.1 49.4,45.17 49.79,45.57 U9.3
Net-(U9-IN): length 6.4
  Top w0.254: R37.2 46.94,47.89 C35.1 47.6,47.84 ; 47.6,47.84 47.6,46.94 48.34,46.19 ; 47.6,47.84 48.09,47.84 C36.1 49.75,48.1 U9.1
Net-(U10-ENABLE): length 5.7
  Top w0.305: 58.68,39.27 C31.1 ; 57.61,39.33 C42.1
  Top w0.508: 57.61,39.33 U10.3 U10.4 ; C31.1 C42.1 ; R29.2 58.68,39.27
Net-(U10-OUT_F): length 4.7
  Top w0.203: 51.65,38.46 C45.1 ; 51.62,37.5 C43.1
  Top w0.305: U10.6 U10.5 ; 52.7,38.38 R30.1 51.65,38.46 ; C45.1 51.62,37.5
  Top w0.508: U10.5 52.7,38.38
Net-(U11A-DCDC_LP): length 6.8
  Top w0.25: 53.21,25.85 52.06,27 U11.15 ; 53.02,21.72 52.98,21.76 52.98,25.38 53.2,25.6
Net-(U11A-VREFH): length 6.9
  Top w0.203: 48.64,33.87 48.64,33.49 48.57,33.42 48.36,33.42 48.13,33.19 48.13,32.54 47.69,32.1 U11.31 ; 48.64,33.87 48.64,33.88 ; 48.64,33.87 48.62,33.9 ; 48.79,35 C60.1 ; 48.84,36.16 C61.1
  Top w0.305: C61.1 48.79,35 ; 48.62,34.81 48.62,33.9 ; R53.1 48.84,36.16
Net-(U11A-VREFL): length 7.4
  Top w0.203: 48.63,32.91 48.63,32.53 48.09,31.99 U11.30 ; 50.34,37.57 R54.1
  Top w0.254: 48.63,32.91 49.08,32.91 49.25,33.09 49.25,34.5 C60.2
  Top w0.305: C60.2 49.57,35.33 C61.2 50.34,37.57
Net-(U11B-XTALI): length 8.6
  Top w0.152: 44.64,32.97 45.28,32.32 45.57,32.32 46.09,31.8 U11.35 ; R56.1 43.94,33.56 43.22,33.56 42.96,33.82 42.96,34.98 44.06,36.08 44.06,37.06 C69.1
Net-(U11B-XTALO): length 6.7
  Top w0.152: U11.36 45.69,31.72 45.39,32.02 45.03,32.02 44.7,32.35 44.24,32.35 43.62,32.97 41.19,32.97 R55.2
Net-(U11C-VPMC): length 7.5
  Top w0.25: C7.1 57.53,28 56.59,27.06 53.37,27.06 C29.1 ; U11.16 52.54,27.4 52.76,27.62
Net-(U13-+IN): length 5.2
  Top w0.349: R61.2 87.1,13.66 R59.2 C24.1 86.18,13.61 85.66,13.09 U13.3
Net-(U13--IN): length 3.9
  Top w0.349: U13.4 82.4,14.04 R64.1 R63.2 83.34,14.7 C25.2
Net-(U13-MODE): length 1.6
  Top w0.349: R65.1 81.07,12.14 U13.5
Net-(U13-OUT): length 6.9
  Top w0.349: R66.1 84.03,11.07 U13.1 83.7,11.19 83.2,11.69 83.2,13.54 R63.1 84.33,15.63 C25.1
Net-(U15-+IN): length 5.2
  Top w0.203: 84.24,37.13 84.4,36.97 85.74,36.97 86.32,37.55 C53.1 R83.2
  Top w0.349: R83.2 87.28,37.32 R85.2
Net-(U15--IN): length 4.1
  Top w0.25: C65.2 83.42,38.4 R87.2 R88.1 ; R88.1 82.42,37.87 81.53,36.98 ; R88.1 82.42,38.01
Net-(U15-MODE): length 1.7
  Top w0.25: 81.14,36.18 81.54,36.18 ; R89.1 81.14,36.03
Net-(U15-OUT): length 6.7
  Top w0.203: R90.1 84.1,34.95
  Top w0.25: 84.23,35.23 83.73,35.23 83.29,35.67 83.29,37.32 84.34,38.37 R87.1 84.37,38.39 C65.1
  Top w0.349: 84.1,34.95 U15.1
Net-(U18-+IN): length 5.1
  Top w0.203: R75.2 87.29,50.2 R72.2 C125.1 86.32,49.48 85.69,48.85 U18.3
Net-(U18--IN): length 4.1
  Top w0.203: 81.53,48.85 82.22,48.85 82.36,49 R77.1 83.3,50.23 R76.2 83.33,50.22 C127.2
Net-(U18-MODE): length 1.8
  Top w0.203: 81.53,47.9 81.06,47.9 80.15,48.81
Net-(U18-OUT): length 7.7
  Top w0.203: R78.1 84.23,45.97 U18.1 83.37,46.95 83.05,47.27 83.05,49.27 83.32,49.54 84.16,49.54 84.34,49.72 R76.1 84.3,50.26 C127.1
Net-(U20-+IN): length 5.4
  Top w0.203: R94.2 87.26,26.49 R92.2 C138.1 86.27,25.41 85.78,24.92 U20.3
Net-(U20--IN): length 3.9
  Top w0.203: C139.2 83.33,26.54 R96.2 R97.1 82.33,25.71 81.53,24.92
Net-(U20-MODE): length 1.8
  Top w0.203: R98.1 81.14,23.97 81.53,23.97
Net-(U20-OUT): length 6.7
  Top w0.203: 84.05,21.78 84.05,22.83 U20.1 83.98,23.02 83.46,23.54 83.46,25.64 R96.1 84.3,26.53 C139.1
Net-(Y1-X1): length 2.7
  Top w0.152: C71.1 R55.1 40.8,34.38 41.86,34.38

## Copper pours and planes (outline as drawn; the poured copper is in the pictures)
5V_SYS on Top: 40.26,52.24 38.53,52.24 38.53,50.61 40.23,50.61 40.26,50.64
5V_SYS on Top: 62.31,58.36 64.39,58.36 64.39,56.4 62.31,56.4
